# Altium PCB 控制盒基板.PcbDoc (part 7 of 8)
Units mil, origin at the board's own origin, x right, y up, seen from the top; angles counter-clockwise.
Board outline 12046.02 x 6189.14 mil, 4 copper layers (Top Layer, SGND, POWER, Bottom Layer); 368 components, 219 nets, 1110 pads, 351 vias.
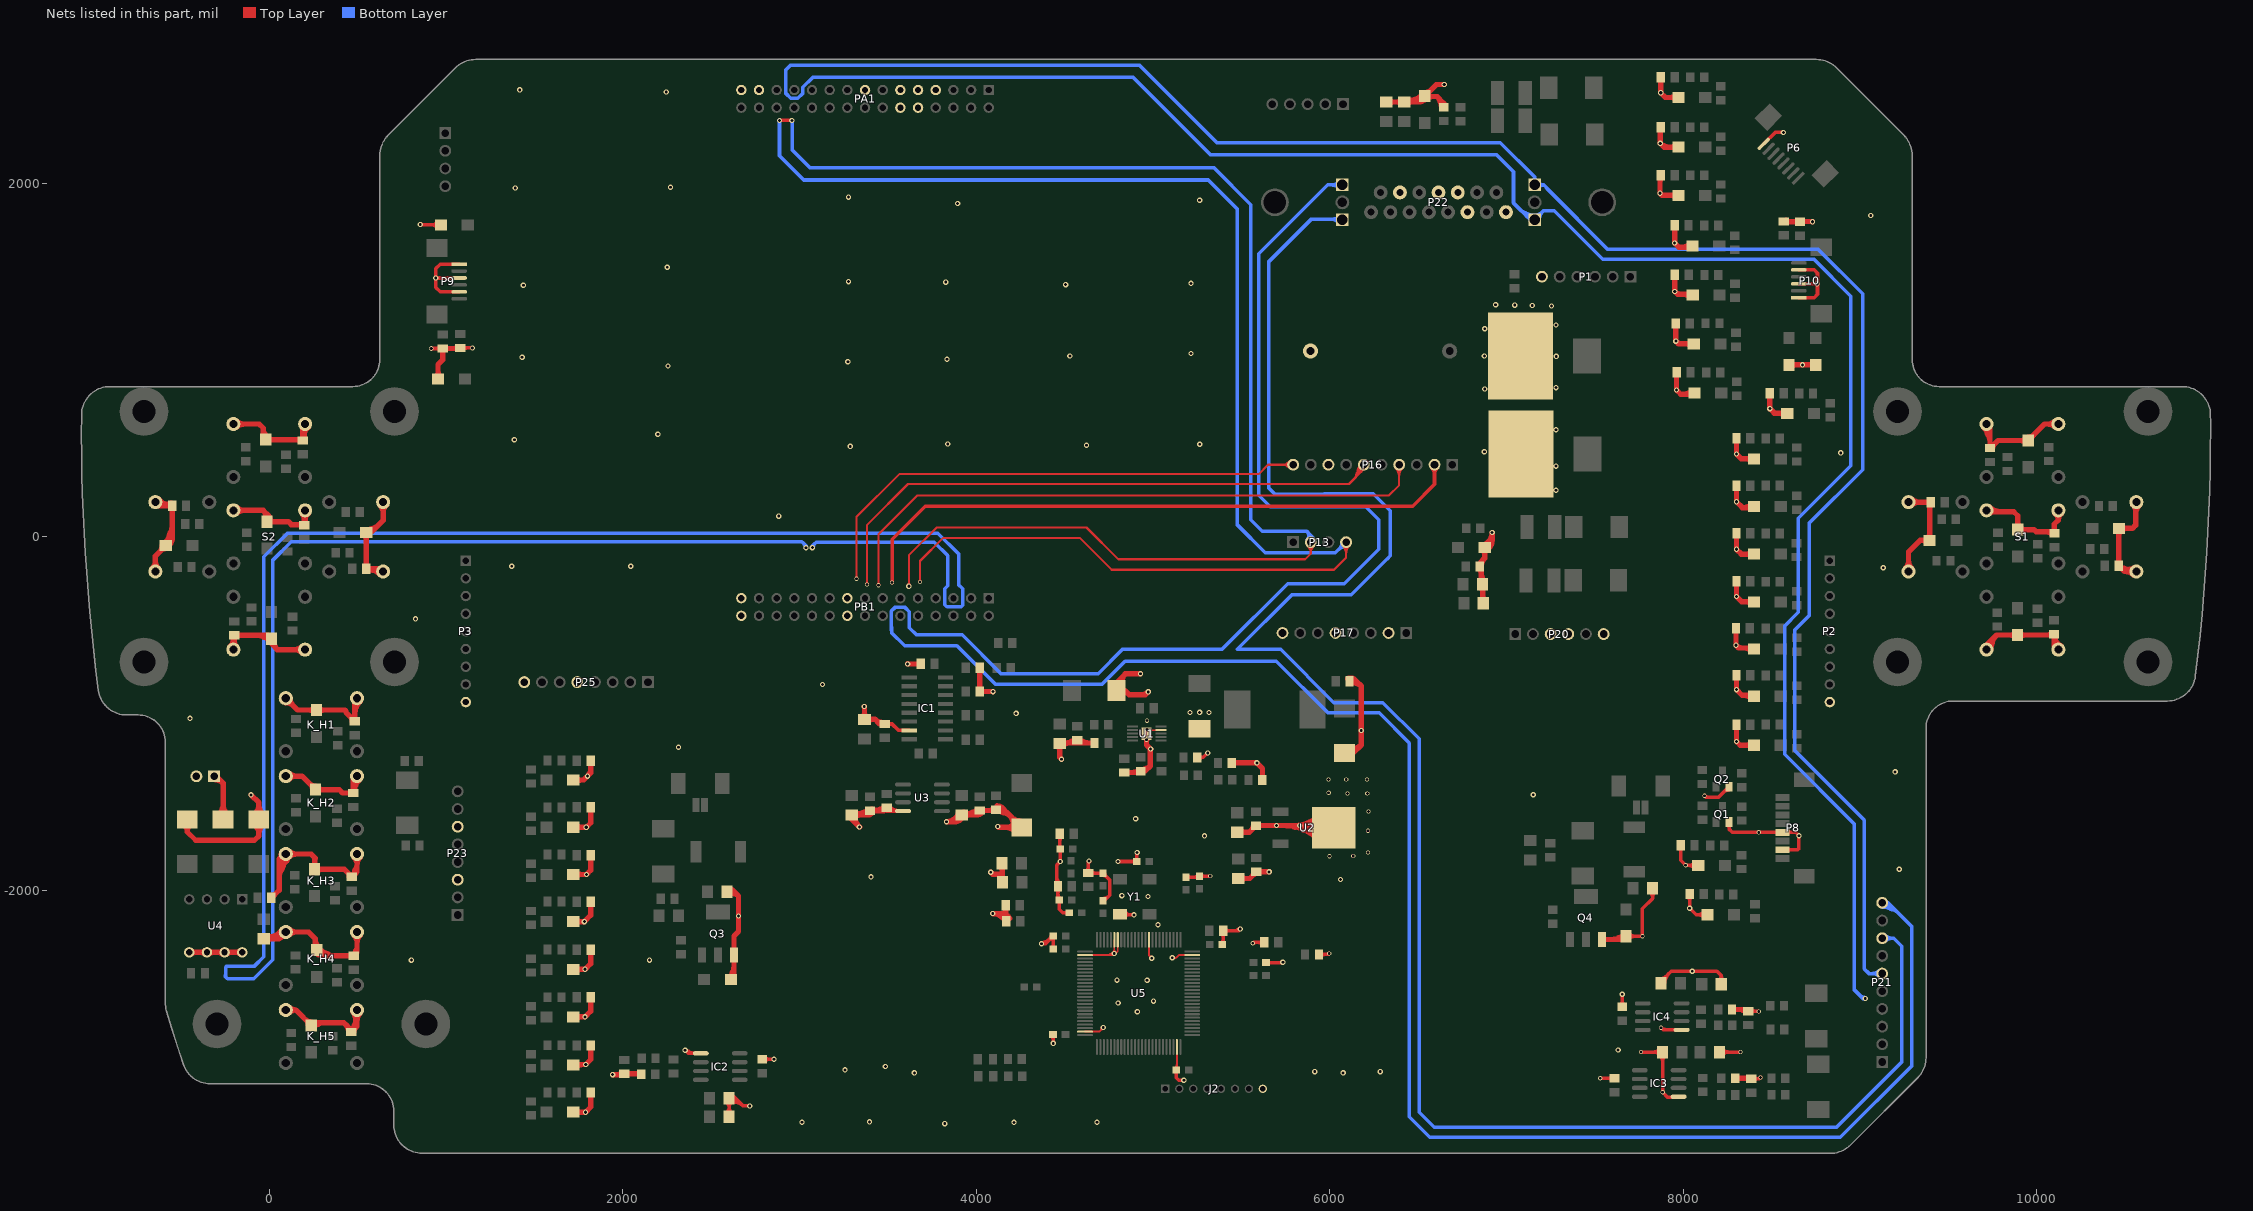
[diagram p9: the nets of this part, all layers, seen from the top]

## Via types
v1: diameter 30, hole 16, Top Layer to Bottom Layer, tented both sides, 209 vias
v2: diameter 24, hole 16, Top Layer to Bottom Layer, tented both sides, 75 vias
v3: diameter 30, hole 18, Top Layer to Bottom Layer, tented both sides, 57 vias
v4: diameter 28, hole 18, Top Layer to Bottom Layer, tented both sides, 10 vias

## Nets (pads, with @x,y where several pads share a name; then routed paths per layer and width w, separated by ;. In a path a pad name is that pad's centre, name@x,y a point inside that pad or via, vN(x,y) a via of type N, cw(c..) or ccw(c..) an arc to the next point about the centre after c; other vN are vias at no path point) (continued)
SGND: (continued)
  Top Layer w30: S2.5@-644.29,-196.46 -644.29,-108.5 D41.1@-585.79,-50 -549.37,-13.58 C58.2@-549.37,176 ; S2.5@-644.29,196.46 -623.84,176 C58.2@-549.37,176 ; -584.26,185.35 ccw(c-573.83,224.27) C58.2@-553.68,189.37 ; D41.1@-567.05,-45.21 cw(c-484.72,-20.25) -559.22,22.76 ; C84.2@-464,-1599.02 -464,-1669 ; U4.5@-452.5,-2350.98 U4.6@-352.5,-2350.98 U4.7@-252.5,-2350.98 U4.8@-152.5,-2350.98 ; C52.2@-210.68,-562.7 cw(c-236.26,-582.85) -204.81,-591.28 ; S2.3@-202.95,-638.19 -198,-633.23 C52.2@-198,-557.37 -7.42,-557.37 D35.1@12,-576.79 12,-604 46.19,-638.19 ; S2.9@-202.95,150 -34,150 ; S2.1@-202.95,638.19 -57.19,638.19 -34,615 ; v1(-103,-1460) -59,-1504 C77.2@-59,-1599.02 -59,-1692 -84,-1717 -416,-1717 -464,-1669 ; -34.75,-565.24 ccw(c-19.43,-538.71) D35.1@1,-561.54 ; C78.1@-30,-2274.12 55.41,-2274.12 ; D44.1@-26.45,96.7 ccw(c-65.67,118.33) -34,150 ; C78.1@-17.81,-2259.83 ccw(c0.36,-2228.35) 9.77,-2263.46 ; -12.1,128.1 cw(c-46,94.2) D44.1@1.33,86.6 ; C78.1@-11.78,-2282.37 cw(c25.72,-2304.02) 14.52,-2262.19 ; -5.78,121.78 cw(c-29.29,98.27) D44.1@-0.17,82.22 ; C80.1@12.37,-2043 56,-1999.37 56,-1823 ; 26.11,-2259.78 cw(c55.15,-2295.39) K_H4.1@80.12,-2256.82 ; D35.1@26.99,-586.63 ccw(c58.85,-601.27) 34.06,-626.06 ; D35.1@28.28,-582.43 ccw(c91.5,-592.88) 46.19,-638.19 ; 57.8,-1821.2 ccw(c31.48,-1794.88) K_H3.1@68.7,-1794.88 ; 58.58,-1846.05 cw(c105.42,-1873.09) K_H3.1@97.4,-1819.61 ; 65.17,-1834.64 ccw(c27.18,-1812.71) K_H3.1@69.55,-1801.35 ; K_H4.1@68.78,-2237.82 cw(c22.79,-2241.49) 55.41,-2274.12 ; 69.42,-1885.24 ccw(c-2.21,-1843.89) K_H3.1@71.44,-1806.26 ; K_H4.1@69.88,-2243.43 cw(c48.84,-2250.14) 62.8,-2267.26 cw(c83.44,-2292.58) K_H4.1@89.25,-2260.43 ; K_H3.1@83.67,-1817.78 ccw(c73.66,-1840.65) 56,-1823 ; K_H4.1@91.71,-2260.75 ccw(c88.04,-2306.74) 55.41,-2274.12 ; K_H5.1@93.7,-2676.77 150.56,-2676.77 ; K_H2.1@93.7,-1353.94 185.73,-1353.94 D11.1@262,-1430.21 396.21,-1430.21 415.63,-1449.63 C28.2@475,-1449.63 475,-1375.79 K_H2.1@496.85,-1353.94 ; K_H1.1@93.7,-912.99 160.92,-980.21 D10.1@268,-980.21 429.21,-980.21 434,-985 434,-993.63 C27.2@484,-1043.63 484,-925.84 K_H1.1@496.85,-912.99 ; 97,-1837.46 ccw(c56.33,-1813.98) K_H3.1@98.15,-1792.61 ; 198.44,579.56 ccw(c236.47,569.37) C49.2@202.37,549.68 ; S2.3@202.95,-638.19 46.19,-638.19 ; S2.9@202.95,150 198,145.05 C61.2@198,65.37 194.37,69 125,69 108.21,85.79 D44.1@-12,85.79 -12,128 ; S2.1@202.95,638.19 189,624.24 C49.2@189,545.37 184.58,549.79 D32.1@-20,549.79 -34,563.79 -34,615 ; 204.36,101.44 ccw(c238.2,92.38) C61.2@210.68,70.7 ; D14.1@251.46,-2751.73 ccw(c267.16,-2740.6) 276.78,-2757.27 ; D13.1@269,-2357.66 cw(c269,-2404.61) 302.2,-2371.41 ; D13.1@269.3,-2357.66 cw(c270.09,-2401.96) 301.42,-2370.63 ; D13.1@274.95,-2356.55 cw(c300.4,-2422.3) 335.65,-2361.24 ; 439.46,-2764.26 ccw(c487.03,-2751.51) C31.2@462.41,-2794.16 ; C31.2@478.23,-2799.4 cw(c525.81,-2786.65) 483.15,-2762.03 ; K_H2.1@481.38,-1373.58 cw(c465.24,-1394.08) 486.34,-1409.43 ; C29.2@482.23,-1921.4 cw(c529.81,-1908.65) 487.15,-1884.03 ; 484.56,-1416.39 ccw(c521.38,-1426.26) C28.2@488.37,-1445.32 ; C30.2@490.75,-2367.04 cw(c519.54,-2353.86) 492.11,-2338.03 ; K_H5.1@496.85,-2676.77 496.85,-2768.78 C31.2@464,-2801.63 464,-2791 423,-2750 252.21,-2750 D14.1@238,-2764.21 150.56,-2676.77 ; K_H4.1@496.85,-2235.83 496.85,-2350.78 C30.2@477,-2370.63 301.42,-2370.63 ; K_H3.1@496.85,-1794.88 496.85,-1894.78 C29.2@468,-1923.63 425.58,-1881.21 D12.1@257,-1881.21 257,-1823 261,-1819 236.88,-1794.88 K_H3.1@93.7,-1794.88 84.12,-1794.88 56,-1823 ; C55.2@553.68,-193.37 cw(c573.83,-228.27) 584.26,-189.35 ; S2.7@644.29,-196.46 627.83,-180 C55.2@549.37,-180 ; S2.7@644.29,196.46 644.29,93.29 576,25 D38.1@548.79,25 548.79,-179.42 C55.2@549.37,-180 ; D51.1@955,880 955,975 981,1001 C70.2@981,1065.63 1077,1065.63 C68.2@1080,1068.63 ; D30.1@1720.31,-3254 1722.31,-3256 v3(1789,-3256) 1819.37,-3225.63 C47.2@1819.37,-3144 ; D26.1@1720.31,-2989 1723.31,-2986 v3(1791,-2986) 1819.37,-2957.63 C43.2@1819.37,-2878 ; D22.1@1720.31,-2716 v3(1787,-2716) 1819.37,-2683.63 C39.2@1819.37,-2604 ; D18.1@1720.31,-2447 v3(1787,-2447) 1819.37,-2414.63 C35.2@1819.37,-2336 ; D29.1@1720.31,-2177 v3(1783,-2177) 1819.37,-2140.63 C46.2@1819.37,-2064 ; D25.1@1720.31,-1910 v3(1795,-1910) 1819.37,-1885.63 C42.2@1819.37,-1801 ; D21.1@1720.31,-1643 v3(1794,-1643) 1819.37,-1617.63 C38.2@1819.37,-1531 ; D17.1@1720.31,-1376 1779,-1376 1819.37,-1335.63 C34.2@1819.37,-1266 ; v1(1943,-3043) 2003.41,-3043 C113.1@2008.04,-3038.37 2104.04,-3038.37 R107.2@2105.67,-3040 ; C81.1@2581.45,-1999.82 cw(c2601.72,-2029.19) 2626.96,-2003.96 ; C81.1@2582.13,-1999.38 cw(c2601.49,-2031.38) 2627.94,-2004.94 ; C81.1@2586.84,-1997.63 cw(c2596.38,-2053.41) 2636.39,-2013.39 ; C81.1@2589.12,-2007 2630,-2007 2655,-2032 ; C81.1@2597.66,-2025.05 cw(c2621.9,-2065.1) 2655,-2032 ; C81.1@2598.49,-2024.51 cw(c2622.51,-2059.3) 2652.41,-2029.41 ; D57.1@2611.79,-2505 2629.55,-2487.24 Q3.3@2629.55,-2367.05 2629.55,-2258.45 2655,-2233 2655,-2032 ; 2621.87,-2460.78 ccw(c2645.02,-2474.15) D57.1@2626.3,-2493.23 ; C10.1@3308.15,-1559.83 ccw(c3333.62,-1515.7) 3346.81,-1564.92 ; C10.1@3314.18,-1582.37 cw(c3339.03,-1596.71) 3331.61,-1569 ; C10.1@3315.15,-1580.39 ccw(c3355.31,-1596.91) 3324.61,-1627.61 ; C10.1@3316.27,-1576.11 ccw(c3395.27,-1585.73) v1(3339,-1642) ; v1@3342,-1642 v1(3339,-1642) ; 3353.45,-1562.62 cw(c3378.08,-1605.27) C14.1@3390.82,-1557.7 ; v1(3367,-960) 3368,-961 C112.1@3368,-1033.88 3369.88,-1032 3427,-1032 ; C14.1@3377.17,-1571.16 ccw(c3359.12,-1553.12) C14.1@3384.49,-1550.32 ; C14.1@3384.43,-1549.39 cw(c3349.54,-1549.45) 3374.21,-1574.12 ; C14.1@3409.18,-1541.9 ccw(c3429.63,-1506.47) 3440.22,-1545.99 ; 3438.73,-1043.73 ccw(c3461.44,-1021.03) C110.1@3473.78,-1050.67 ; 3451.3,-1544.39 cw(c3470.85,-1578.25) C12.1@3484.13,-1541.48 ; C110.1@3476.37,-1050.04 cw(c3471.09,-987.91) 3427,-1032 ; C110.1@3483,-1058.63 3453.63,-1058.63 3427,-1032 ; C12.1@3492.96,-1533.37 3476.96,-1549.37 C14.1@3398.96,-1549.37 3374.21,-1574.12 ; v1@3611,-718 v1(3612,-719) C109.2@3685.63,-719 ; 3873.6,-1600.38 cw(c3899.57,-1619.93) C26.1@3909.18,-1588.88 ; C26.1@3930.19,-1558.83 ccw(c3954.76,-1516.26) 3967.48,-1563.74 ; C26.1@3936.22,-1581.37 cw(c3962.63,-1596.61) 3954.74,-1567.16 ; 3973.45,-1561.62 cw(c3998.08,-1604.27) C24.1@4010.82,-1556.7 ; C24.1@3997.17,-1570.16 ccw(c3979.12,-1552.12) C24.1@4004.49,-1549.32 ; C24.1@4004.43,-1548.39 cw(c3969.54,-1548.45) 3994.21,-1573.12 ; C111.2@4019.37,-741 C107.2@4019.37,-875 4094,-875 v1(4095,-876) ; v1(4094,-2131) v1@4095,-2132 ; C21.1@4099.96,-1541.37 4155.39,-1541.37 C15.2@4258,-1643.98 v1@4126.98,-1643.98 ; C21.1@4111.96,-1543.37 4106.96,-1548.37 C24.1@4018.96,-1548.37 3994.21,-1573.12 ; C21.1@4121.39,-1551.24 cw(c4141.09,-1595.18) 4175.15,-1561.13 ; C21.1@4125.33,-1539.06 ccw(c4167.98,-1514.43) 4155.24,-1562.01 ; 4136.76,-2144.67 ccw(c4172.96,-2111.27) C72.2@4170.98,-2160.48 ; C22.1@4146.88,-1847 4146.88,-1909 ; C23.1@4148.88,-1955 4146.88,-1953 4146.88,-1909 ; C74.2@4167.63,-2085 4167.63,-2132 ; C72.2@4170.63,-2175 4167.63,-2172 4167.63,-2132 ; 4197.67,-1583.24 ccw(c4272.86,-1563.1) C15.2@4251.8,-1638.03 ; 4531.44,-1161.18 cw(c4548.47,-1190.68) C1.1@4561.74,-1159.31 ; C1.1@4580.26,-1159.31 cw(c4593.53,-1190.68) 4610.56,-1161.18 ; R3.1@4669.63,-1166 4476.12,-1166 C2.1@4472,-1170.12 4472,-1247 v1(4483,-1258) ; C5.2@4795.82,-882.37 cw(c4823.56,-936.21) 4866.38,-893.38 ; C3.1@4838,-1333.37 4923,-1333.37 R4.1@4931,-1325.37 4955.63,-1325.37 4985,-1296 ; v1@4930,-776 v1(4929,-775) 4844,-775 ; R4.1@4942.4,-1329.68 cw(c4985.06,-1354.31) 4972.31,-1306.73 ; U1.11@4964,-1125 4964,-1177 v1(4987,-1200) 4985,-1202 4985,-1296 ; C6.1@5446.37,-1279 v1(5588,-1279) 5619.37,-1310.37 C7.1@5619.37,-1376 ; C11.2@5478,-1671.12 5545.6,-1671.12 C13.1@5583,-1633.72 6010.5,-1633.72 U2.2@6022.79,-1646 ; C20.2@5483,-1933.12 5547.6,-1933.12 C25.1@5585,-1895.72 v1(5657.28,-1895.72) v1@5658,-1895 ; C8.2@6083,-1223.98 6132.02,-1223.98 6179,-1177 ; C9.2@6102.32,-803.04 cw(c6118.61,-833.63) 6143.12,-809.12 ; C9.2@6105.52,-801.66 cw(c6117.78,-837.91) 6144.85,-810.85 ; C9.2@6112.22,-800.53 cw(c6112.59,-853.5) 6150.04,-816.04 ; C9.2@6112.37,-816 6150,-816 6179,-845 ; C9.2@6115.13,-830.07 cw(c6135.05,-888.94) 6179,-845 ; C9.2@6116.42,-829.52 cw(c6138.52,-871.01) 6171.77,-837.77 ; C17.1@6321,2460.31 6504.52,2460.31 D9.1@6538,2493.79 ; 6469.73,2469.82 cw(c6506.97,2405.32) D9.1@6532.37,2475.33 ; 6622.43,2468.74 ccw(c6670,2481.49) R12.2@6645.37,2438.84 ; R12.2@6645,2431.37 6645,2453 6607,2491 6540.79,2491 D9.1@6538,2493.79 ; v3(6648,2559) 6603.21,2559 D9.1@6538,2493.79 ; R11.2@6845.06,-156.6 ccw(c6820.43,-113.94) 6868.01,-126.69 ; C16.1@6869.12,-377 6865.12,-373 C18.1@6865.12,-268 6858,-260.88 6858,-140 ; D8.1@6895.51,-55.15 cw(c6927.76,-45.24) 6907.06,-18.6 ; Q4.3@7540.55,-2278.05 7657.74,-2278.05 D59.1@7676,-2259.79 ; 7631.02,-2270.31 cw(c7644.96,-2294.45) D59.1@7664.46,-2274.53 ; C53.2@7872.63,2046 7869,2042.37 v3(7869,1944) ; C56.2@7872.63,2318 7870,2315.37 v3(7870,2226) ; C59.2@7872.63,2601 v3(7872.63,2512.37) 7899,2486 D42.1@7973.68,2486 ; C50.2@7951.63,1764 v3(7951.63,1662.37) 7975,1639 8046.68,1639 D33.1@8052.68,1645 ; C66.2@7952.63,1483 v3(7952.63,1388.37) ; C64.2@7958.63,1207 v3(7958.63,1107.37) ; C62.2@7962.63,930 v3(7962.63,830.37) 7986,807 8056.68,807 D45.1@8063.68,814 ; D36.1@7973.68,1932 7881,1932 v3(7869,1944) ; D39.1@7973.68,2205 7891,2205 v3(7870,2226) ; D49.1@8053.68,1369 8050.68,1372 7969,1372 v3(7952.63,1388.37) ; D47.1@8059.68,1092 7974,1092 v3(7958.63,1107.37) ; R113.2@8276.37,-2674 8359.37,-2674 C115.1@8369,-2683.63 ; R110.2@8294.37,-3063 8389.37,-3063 C114.1@8392,-3065.63 ; C37.2@8298.63,-515 v3(8298.63,-613.63) ; C45.2@8301.63,-1064 v3(8301.63,-1157.63) 8323,-1179 D28.1@8400.21,-1179 ; C41.2@8301.63,-784 v3(8301.63,-864.63) 8334,-897 8395.21,-897 D24.1@8400.21,-902 ; C33.2@8301.63,-251 v3(8301.63,-337.63) 8332,-368 D16.1@8400.21,-368 ; C44.2@8301.63,20 v3(8301.63,-70.63) 8329,-98 D27.1@8400.21,-98 ; C40.2@8301.63,289 v3(8301.63,198.37) 8335,165 8393.21,165 D23.1@8400.21,172 ; C36.2@8301.63,557 v3(8301.63,468.37) 8329,441 D19.1@8400.21,441 ; 8337.09,-2678.23 ccw(c8346.4,-2662.12) C115.1@8357.81,-2676.82 ; D20.1@8400.21,-634 8395.21,-629 8314,-629 v3(8298.63,-613.63) ; C32.2@8490.63,813 v3(8490.63,725.37) 8516,700 8586.21,700 D15.1@8589.21,697 ; D50.1@8598.34,972.87 D52.1@8750.34,972.87 ; C69.2@8661,1782.74 8571,1782.74 C67.2@8569.34,1784.4 8730.6,1784.4 v3(8732,1783) ; S1.5@9275.24,-196.46 9275.24,-84.76 9340,-20 D40.1@9394.21,-20 9394.21,188.58 C57.2@9400.63,195 9399.17,196.46 S1.5@9275.24,196.46 ; S1.3@9716.57,-638.19 9716.57,-612.43 9773.21,-555.79 ; S1.9@9716.57,150 9724.57,142 9870,142 9893,119 D43.1@9893,40.79 9985.21,40.79 9998,28 10092.37,28 C60.2@10099,21.37 ; S1.1@9716.57,638.19 9736,618.76 C48.2@9736,502.37 9739.37,502.37 9781.79,544.79 D31.1@9952,544.79 10045.4,638.19 S1.1@10122.48,638.19 ; S1.3@9719.14,-642.48 ccw(c9685.13,-585.62) 9749.81,-600 ; 9724.71,575.8 cw(c9754.09,592.76) S1.1@9732.49,618.91 ; C60.2@10101,19.37 C60.2@10099,21.37 ; 10105.85,-579.66 cw(c10132.38,-572.55) C51.2@10110.71,-555.67 ; S1.3@10122.48,-638.19 10098,-613.71 C51.2@10098,-550.37 10092.58,-555.79 D34.1@9892,-555.79 9773.21,-555.79 ; S1.9@10122.48,150 10122.48,94.48 ; C54.2@10466.6,-177.23 cw(c10479.35,-224.81) 10503.97,-182.15 ; S1.7@10563.82,-196.46 10497.83,-196.46 C54.2@10464.37,-163 10464.37,46.58 D37.1@10465.79,48 10542,48 10560,66 10560,192.64 S1.7@10563.82,196.46 ; -644.29,-136.1 ccw(c-583.94,-136.1) -626.61,-178.78 cw(c-583.94,-136.1) -644.29,-136.1 ; -644.29,-136.1 cw(c-704.65,-136.1) -661.97,-178.78 ccw(c-704.65,-136.1) -644.29,-136.1 ; C58.2@-549.37,176 cw(c-549.37,272.83) -624.81,212.13 ccw(c-549.37,272.83) C58.2@-549.37,176 ; -464,-1669 ccw(c-513.59,-1669) -484.92,-1628.54 cw(c-513.59,-1669) -464,-1669 ; -464,-1669 cw(c-414.41,-1669) -443.08,-1628.54 ccw(c-414.41,-1669) -464,-1669 ; -417.42,-2350.98 ccw(c-417.42,-2386.06) -442.22,-2361.26 cw(c-417.42,-2386.06) -417.42,-2350.98 ; -417.42,-2350.98 cw(c-417.42,-2315.91) -442.22,-2340.71 ccw(c-417.42,-2315.91) -417.42,-2350.98 ; -387.57,-2350.98 ccw(c-387.57,-2315.91) -362.77,-2340.71 cw(c-387.57,-2315.91) -387.57,-2350.98 ; -387.57,-2350.98 cw(c-387.57,-2386.06) -362.77,-2361.26 ccw(c-387.57,-2386.06) -387.57,-2350.98 ; -317.42,-2350.98 ccw(c-317.42,-2386.06) -342.22,-2361.26 cw(c-317.42,-2386.06) -317.42,-2350.98 ; -317.42,-2350.98 cw(c-317.42,-2315.91) -342.22,-2340.71 ccw(c-317.42,-2315.91) -317.42,-2350.98 ; -287.57,-2350.98 ccw(c-287.57,-2315.91) -262.77,-2340.71 cw(c-287.57,-2315.91) -287.57,-2350.98 ; -287.57,-2350.98 cw(c-287.57,-2386.06) -262.77,-2361.26 ccw(c-287.57,-2386.06) -287.57,-2350.98 ; -217.42,-2350.98 ccw(c-217.42,-2386.06) -242.22,-2361.26 cw(c-217.42,-2386.06) -217.42,-2350.98 ; -217.42,-2350.98 cw(c-217.42,-2315.91) -242.22,-2340.71 ccw(c-217.42,-2315.91) -217.42,-2350.98 ; -187.57,-2350.98 ccw(c-187.57,-2315.91) -162.77,-2340.71 cw(c-187.57,-2315.91) -187.57,-2350.98 ; -187.57,-2350.98 cw(c-187.57,-2386.06) -162.77,-2361.26 ccw(c-187.57,-2386.06) -187.57,-2350.98 ; -142.6,150 ccw(c-142.6,89.64) -185.28,132.32 cw(c-142.6,89.64) -142.6,150 ; -142.6,150 cw(c-142.6,210.35) -185.28,167.68 ccw(c-142.6,210.35) -142.6,150 ; -142.6,638.19 ccw(c-142.6,577.83) -185.28,620.51 cw(c-142.6,577.83) -142.6,638.19 ; -142.6,638.19 cw(c-142.6,698.54) -185.28,655.87 ccw(c-142.6,698.54) -142.6,638.19 ; -59,-1686.37 ccw(c-146.35,-1686.37) -84.58,-1624.6 cw(c-146.35,-1686.37) -59,-1686.37 ; -59,-1686.37 cw(c28.35,-1686.37) -33.42,-1624.6 ccw(c28.35,-1686.37) -59,-1686.37 ; -59,-1511.67 ccw(c28.35,-1511.67) -33.42,-1573.43 cw(c28.35,-1511.67) -59,-1511.67 ; -59,-1511.67 cw(c-146.35,-1511.67) -84.58,-1573.43 ccw(c-146.35,-1511.67) -59,-1511.67 ; -34,150 -12,128 ; -34,615 ccw(c28.3,615) -9.89,565.77 cw(c28.3,615) -34,615 ; -12,128 ccw(c26.46,128) -0.45,100.52 cw(c26.46,128) -12,128 ; -12,128 cw(c-50.46,128) -23.54,100.52 ccw(c-50.46,128) -12,128 ; 13.76,-2274.12 ccw(c13.76,-2313.94) -14.4,-2285.78 cw(c13.76,-2313.94) 13.76,-2274.12 ; 13.76,-2274.12 cw(c13.76,-2234.29) -14.4,-2262.45 ccw(c13.76,-2234.29) 13.76,-2274.12 ; 19.83,549.79 ccw(c19.83,509.96) -8.33,538.12 cw(c19.83,509.96) 19.83,549.79 ; 19.83,549.79 cw(c19.83,589.61) -8.33,561.45 ccw(c19.83,589.61) 19.83,549.79 ; 27.83,85.79 ccw(c27.83,45.96) -0.33,74.12 cw(c27.83,45.96) 27.83,85.79 ; 27.83,85.79 cw(c27.83,125.61) -0.33,97.45 ccw(c27.83,125.61) 27.83,85.79 ; 55.41,-2274.12 K_H4.1@93.7,-2235.83 222.83,-2235.83 260,-2273 260,-2329.21 D13.1@269,-2338.21 301.42,-2370.63 ; K_H3.1@111.38,-1812.56 ccw(c245.07,-1946.25) 56,-1946.25 cw(c245.07,-1946.25) K_H3.1@111.38,-1812.56 ; K_H3.1@111.38,-1812.56 cw(c154.06,-1855.24) 154.06,-1794.88 ; K_H3.1@111.38,-1812.56 cw(c154.06,-1855.24) 154.06,-1794.88 ; 136.38,-955.67 ccw(c93.7,-998.35) 93.7,-937.99 cw(c93.7,-998.35) 136.38,-955.67 ; 136.38,-955.67 cw(c179.06,-912.99) 118.7,-912.99 ccw(c179.06,-912.99) 136.38,-955.67 ; 142.6,-638.19 ccw(c142.6,-577.83) 185.27,-620.51 cw(c142.6,-577.83) 142.6,-638.19 ; 142.6,-638.19 cw(c142.6,-698.54) 185.27,-655.87 ccw(c142.6,-698.54) 142.6,-638.19 ; 150.56,-2676.77 ccw(c150.56,-2728.93) 112.12,-2693.67 cw(c150.56,-2728.93) 150.56,-2676.77 ; 150.56,-2676.77 cw(c150.56,-2624.62) 112.12,-2659.87 ccw(c150.56,-2624.62) 150.56,-2676.77 ; 154.06,-2235.83 ccw(c154.06,-2296.18) 111.38,-2253.51 cw(c154.06,-2296.18) 154.06,-2235.83 ; 154.06,-2235.83 cw(c154.06,-2175.47) 111.38,-2218.15 ccw(c154.06,-2175.47) 154.06,-2235.83 ; 154.06,-1794.88 cw(c154.06,-1734.53) 111.38,-1777.2 ccw(c154.06,-1734.53) 154.06,-1794.88 ; 154.06,-1353.94 ccw(c154.06,-1414.29) 111.38,-1371.62 cw(c154.06,-1414.29) 154.06,-1353.94 ; 154.06,-1353.94 cw(c154.06,-1293.58) 111.38,-1336.26 ccw(c154.06,-1293.58) 154.06,-1353.94 ; 228.18,-980.21 ccw(c228.18,-940.39) 256.34,-968.55 cw(c228.18,-940.39) 228.18,-980.21 ; 228.18,-980.21 cw(c228.18,-1020.04) 256.34,-991.88 ccw(c228.18,-1020.04) 228.18,-980.21 ; 257,-1838.43 ccw(c296.83,-1838.43) 268.67,-1866.6 cw(c296.83,-1838.43) 257,-1838.43 ; 257,-1838.43 cw(c217.18,-1838.43) 245.34,-1866.6 ccw(c217.18,-1838.43) 257,-1838.43 ; 296.83,-1881.21 ccw(c296.83,-1921.04) 268.67,-1892.88 cw(c296.83,-1921.04) 296.83,-1881.21 ; 296.83,-1881.21 cw(c296.83,-1841.39) 268.67,-1869.55 ccw(c296.83,-1841.39) 296.83,-1881.21 ; 301.83,-1430.21 ccw(c301.83,-1470.04) 273.67,-1441.88 cw(c301.83,-1470.04) 301.83,-1430.21 ; 301.83,-1430.21 cw(c301.83,-1390.39) 273.67,-1418.55 ccw(c301.83,-1390.39) 301.83,-1430.21 ; 307.83,-980.21 ccw(c307.83,-1020.04) 279.67,-991.88 cw(c307.83,-1020.04) 307.83,-980.21 ; 307.83,-980.21 cw(c307.83,-940.39) 279.67,-968.55 ccw(c307.83,-940.39) 307.83,-980.21 ; 496.85,-2737.13 ccw(c436.5,-2737.13) 479.17,-2694.45 cw(c436.5,-2737.13) 496.85,-2737.13 ; 496.85,-2737.13 cw(c557.21,-2737.13) 514.53,-2694.45 ccw(c557.21,-2737.13) 496.85,-2737.13 ; 496.85,-2296.18 ccw(c436.5,-2296.18) 479.17,-2253.51 cw(c436.5,-2296.18) 496.85,-2296.18 ; 496.85,-2296.18 cw(c557.21,-2296.18) 514.53,-2253.51 ccw(c557.21,-2296.18) 496.85,-2296.18 ; 496.85,-1855.24 ccw(c436.5,-1855.24) 479.17,-1812.56 cw(c436.5,-1855.24) 496.85,-1855.24 ; 496.85,-1855.24 cw(c557.21,-1855.24) 514.53,-1812.56 ccw(c557.21,-1855.24) 496.85,-1855.24 ; 548.79,-14.83 ccw(c508.96,-14.83) 537.12,13.34 cw(c508.96,-14.83) 548.79,-14.83 ; 548.79,-14.83 cw(c588.61,-14.83) 560.45,13.34 ccw(c588.61,-14.83) 548.79,-14.83 ; C55.2@549.37,-180 cw(c549.37,-284.39) 625.95,-213.45 ccw(c549.37,-284.39) C55.2@549.37,-180 ; 644.29,136.1 ccw(c583.94,136.1) 626.61,178.78 cw(c583.94,136.1) 644.29,136.1 ; 644.29,136.1 cw(c704.65,136.1) 661.97,178.78 ccw(c704.65,136.1) 644.29,136.1 ; 1763.09,-2716 ccw(c1763.09,-2755.83) 1734.93,-2727.66 cw(c1763.09,-2755.83) 1763.09,-2716 ; 1763.09,-2716 cw(c1763.09,-2676.18) 1734.93,-2704.34 ccw(c1763.09,-2676.18) 1763.09,-2716 ; 1763.09,-2447 ccw(c1763.09,-2486.83) 1734.93,-2458.66 cw(c1763.09,-2486.83) 1763.09,-2447 ; 1763.09,-2447 cw(c1763.09,-2407.18) 1734.93,-2435.34 ccw(c1763.09,-2407.18) 1763.09,-2447 ; 1763.09,-2177 ccw(c1763.09,-2216.83) 1734.93,-2188.66 cw(c1763.09,-2216.83) 1763.09,-2177 ; 1763.09,-2177 cw(c1763.09,-2137.18) 1734.93,-2165.34 ccw(c1763.09,-2137.18) 1763.09,-2177 ; 1763.09,-1910 ccw(c1763.09,-1949.83) 1734.93,-1921.66 cw(c1763.09,-1949.83) 1763.09,-1910 ; 1763.09,-1910 cw(c1763.09,-1870.18) 1734.93,-1898.34 ccw(c1763.09,-1870.18) 1763.09,-1910 ; 1763.09,-1643 ccw(c1763.09,-1682.83) 1734.93,-1654.66 cw(c1763.09,-1682.83) 1763.09,-1643 ; 1763.09,-1643 cw(c1763.09,-1603.18) 1734.93,-1631.34 ccw(c1763.09,-1603.18) 1763.09,-1643 ; 1763.09,-1376 ccw(c1763.09,-1415.83) 1734.93,-1387.66 cw(c1763.09,-1415.83) 1763.09,-1376 ; 1763.09,-1376 cw(c1763.09,-1336.18) 1734.93,-1364.34 ccw(c1763.09,-1336.18) 1763.09,-1376 ; 2628.94,-2007 ccw(c2628.94,-2046.83) 2600.78,-2018.66 cw(c2628.94,-2046.83) 2628.94,-2007 ; 2628.94,-2007 cw(c2628.94,-1967.18) 2600.78,-1995.34 ccw(c2628.94,-1967.18) 2628.94,-2007 ; v1(3339,-1642) 3295.96,-1598.96 C10.1@3295.96,-1574.12 3374.21,-1574.12 ; 3339.72,-1574.12 ccw(c3339.72,-1613.94) 3311.56,-1585.78 cw(c3339.72,-1613.94) 3339.72,-1574.12 ; 3339.72,-1574.12 cw(c3339.72,-1534.29) 3311.56,-1562.45 ccw(c3339.72,-1534.29) 3339.72,-1574.12 ; 3368,-994.06 ccw(c3407.83,-994.06) 3379.67,-1022.22 cw(c3407.83,-994.06) 3368,-994.06 ; 3368,-994.06 cw(c3328.18,-994.06) 3356.34,-1022.22 ccw(c3328.18,-994.06) 3368,-994.06 ; v1(3832,-1612) ccw(c3832,-1540.01) 3898.77,-1566.95 cw(c3832,-1540.01) v1(3832,-1612) ; v1(3832,-1612) 3879.12,-1612 C26.1@3918,-1573.12 3994.21,-1573.12 ; 3961.76,-1573.12 ccw(c3961.76,-1612.94) 3933.6,-1584.78 cw(c3961.76,-1612.94) 3961.76,-1573.12 ; 3961.76,-1573.12 cw(c3961.76,-1533.29) 3933.6,-1561.45 ccw(c3961.76,-1533.29) 3961.76,-1573.12 ; v1(4082,-1898) ccw(c4108.56,-1871.44) 4108.56,-1909 cw(c4108.56,-1871.44) v1(4082,-1898) ; v1(4082,-1898) 4093,-1909 4146.88,-1909 ; v1@4095,-2132 cw(c4095,-2208.79) 4162.99,-2173.1 ccw(c4095,-2208.79) v1@4095,-2132 ; v1@4095,-2132 4167.63,-2132 ; C23.1@4137.22,-1939.4 ccw(c4113.89,-1916.07) 4146.88,-1916.07 ; C23.1@4137.22,-1939.4 ccw(c4113.89,-1916.07) 4146.88,-1916.07 